# Altium PCB MB988.PcbDoc (part 1 of 4) (continued)
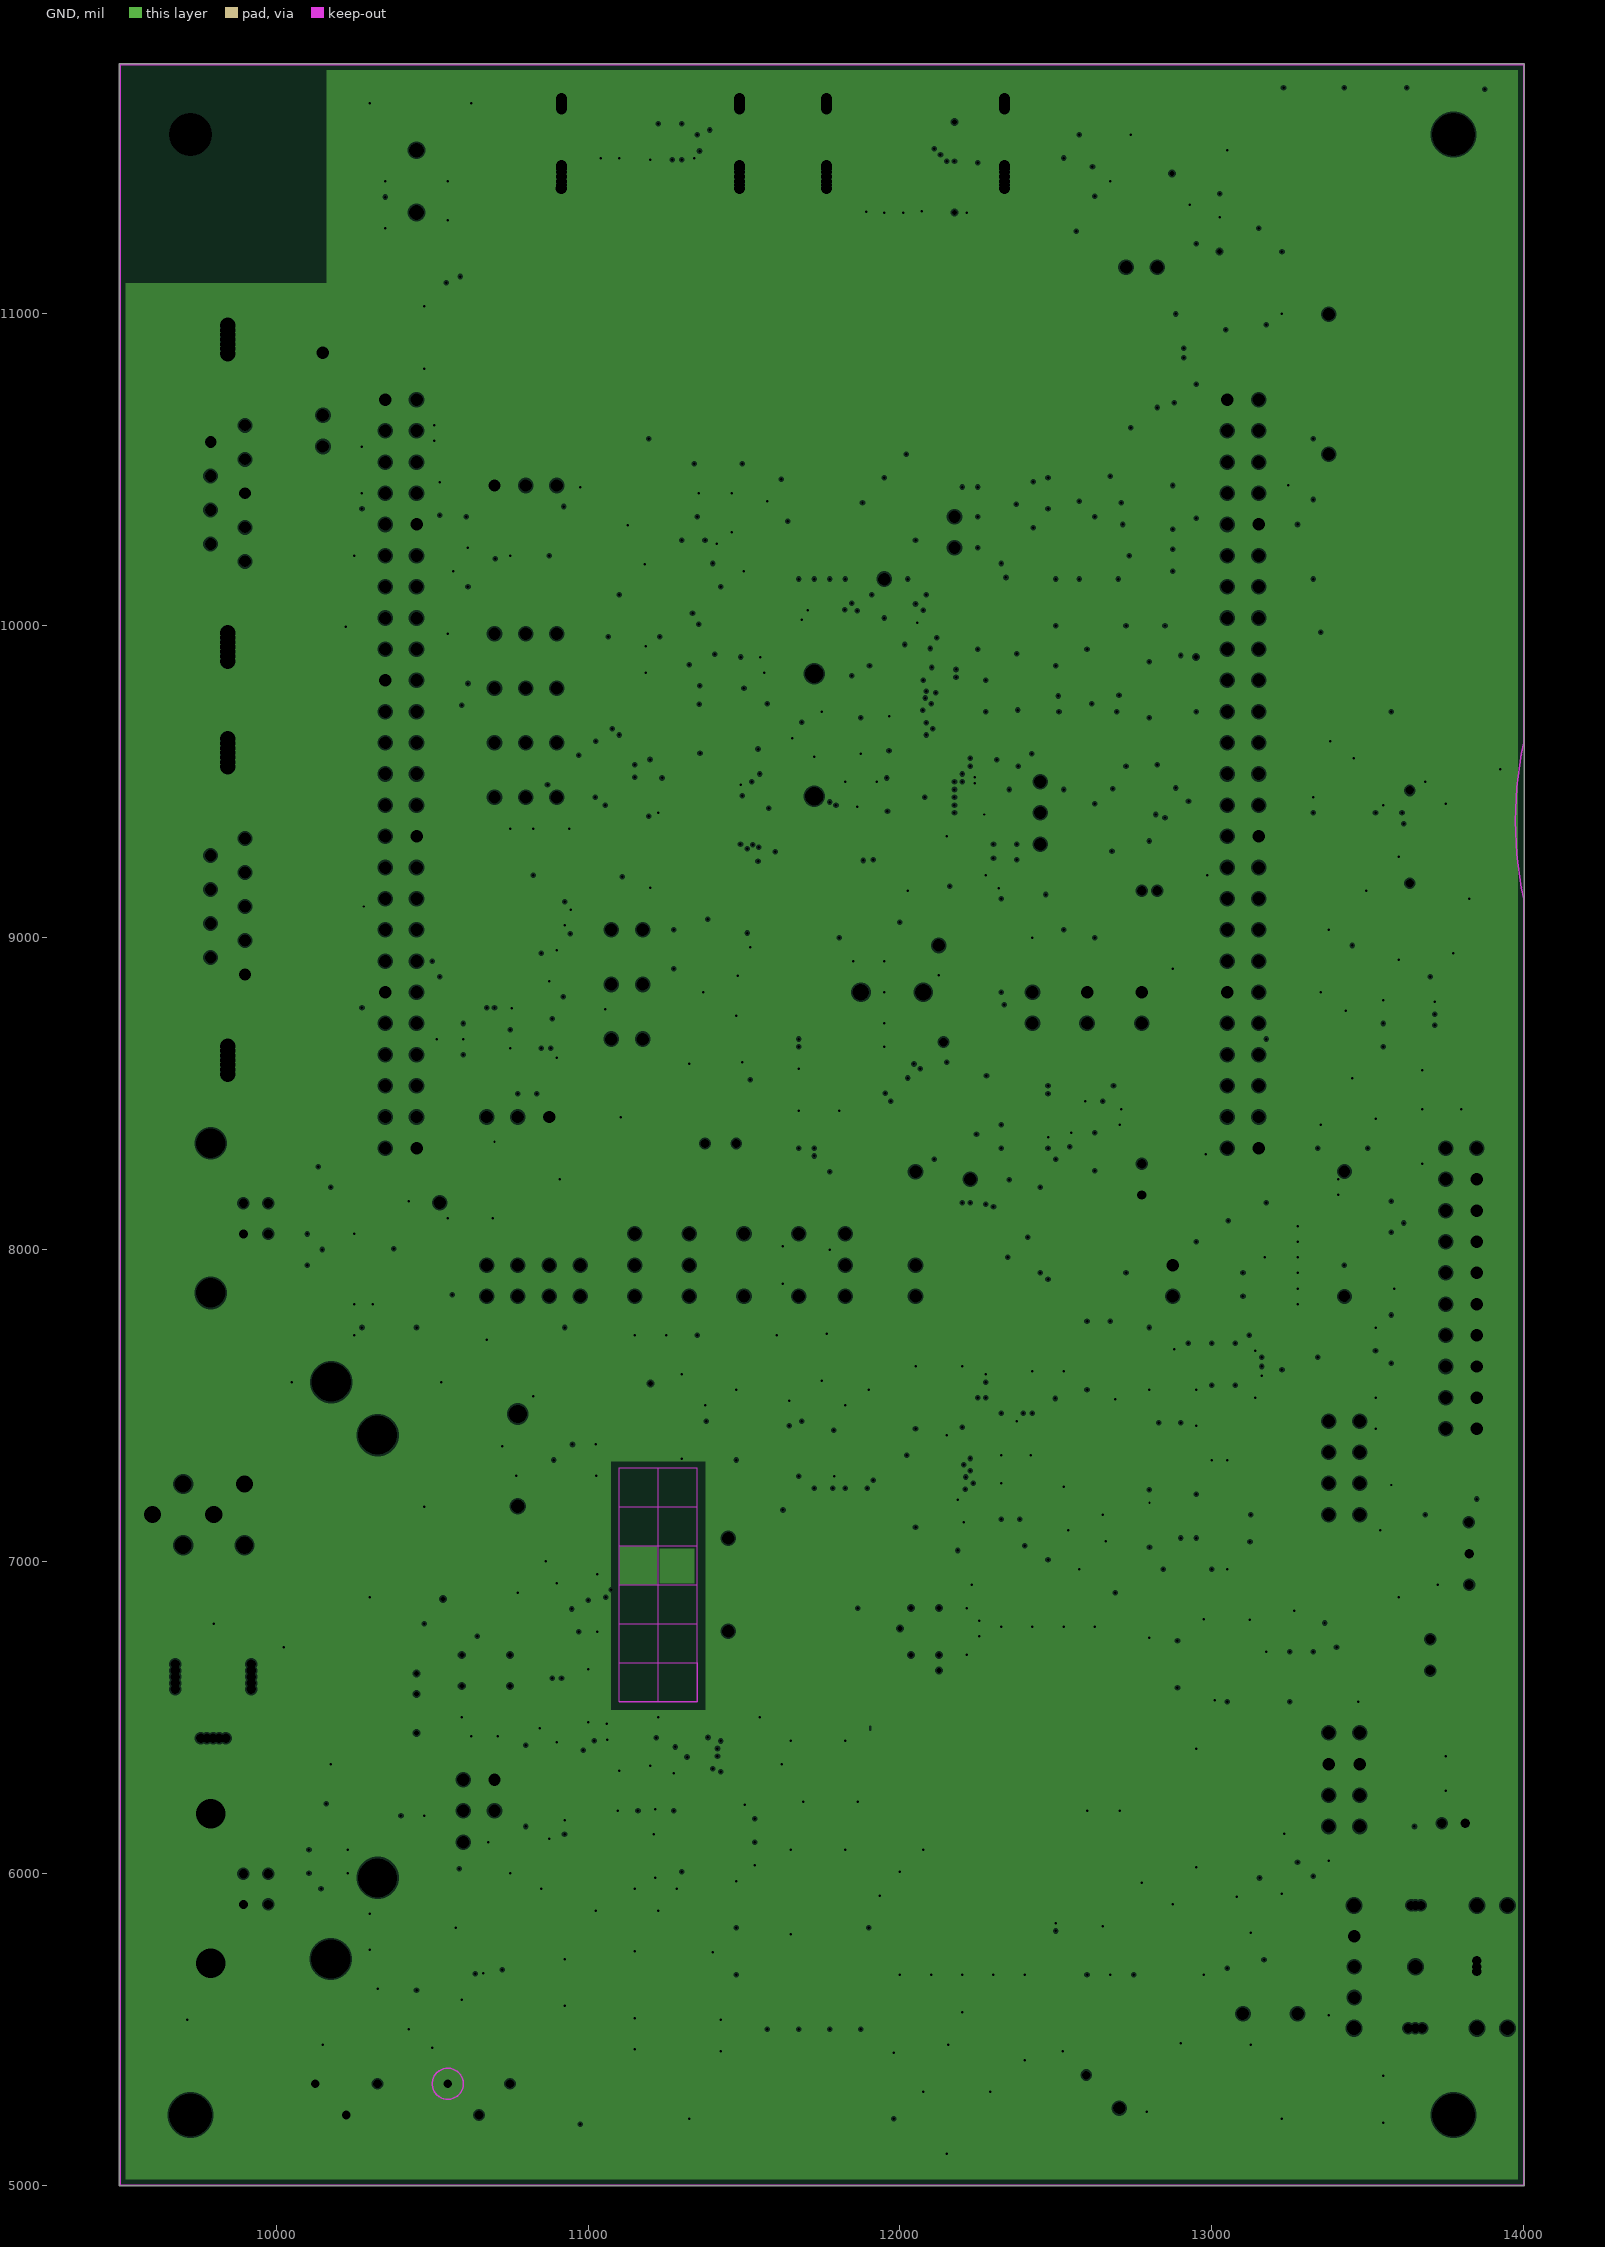
[diagram p3: GND, clearances drawn from the general rule]

## Layer stack, top to bottom
TopLayer: signal copper 0.7
Dielectric: prepreg 4.2, 2116, Dk 4.5
VCC: signal copper 1.4
Dielectric: core 59, FR-4, Dk 4.3
GND: plane copper 1.4, net (Multiple Nets)
Dielectric: prepreg 4.2, 2116, Dk 4.5
BottomLayer: signal copper 0.7

## Board outline
9497.5,4997.5 14002.5,4997.5 14002.5,11802.5 9497.5,11802.5

## Design rules (kind name [scope] priority, off if disabled: settings)
Clearance Clearance_4 [OnLayer('TopLayer') And ((InPoly)) vs InNet('TS_SHIELD')] p1: gap=20
Clearance Clearance_5 [(InPoly) vs InNet('SLD_1')] p2: gap=10
Clearance Clearance_1 [(InPoly) vs InNet('SLD_2')] p3: gap=10
Clearance Clearance_2 [(InPoly) vs InNet('SLD_3')] p4: gap=10
Clearance Clearance_6 [(InPoly)] p5: gap=15
Clearance Clearance_3 [All] p6 off: gap=10
Clearance [All] p7: gap=5
ComponentClearance [All] p1 off: gap=10 collisioncheckmode=3 verticalgap=10
HoleSize [All] p1: absolutevalues=TRUE maxlimit=200 minlimit=1 maxpercent=80.000 minpercent=20.000
PlaneClearance [All] p1: clearance=5
PlaneConnect PlaneConnect_1 [All] p1: planeconnectstyle=Relief reliefexpansion=5 reliefentries=4 reliefconductorwidth=5 reliefairgap=5
PolygonConnect [All] p1: connectstyle=Relief reliefconductorwidth=10 reliefentries=4 polygonreliefangle="90 Angle"
RoutingLayers [All] p1: top layer_v5=FALSE mid layer 1_v5=FALSE bottom layer_v5=FALSE
RoutingVias RoutingVias_1 [All] p1: holewidth=8 width=16 viastyle="Through Hole" minholewidth=8 minwidth=15 maxholewidth=28 maxwidth=50
SolderMaskExpansion [All] p1: expansion=4
TestPointUsage [All] p1: valid=0 allowmultiple=FALSE
Testpoint [All] p1: side=3 testpointundercomponent=TRUE minsize=40 maxsize=100 preferedsize=60 minholesize=20 maxholesize=40 preferedholesize=32 testpointgrid=1 style=297 order=0-112345678
Width Width_4 [InNet('AGND')] p1: maxlimit=300 minlimit=7 preferedwidth=20
Width Width_12 [InNet('VDD')] p2: maxlimit=300 minlimit=5 preferedwidth=10
Width Width_13 [InNet('VDD_ADJ')] p3: maxlimit=300 minlimit=5 preferedwidth=12
Width Width_10 [InNet('SD_VREF+')] p4: maxlimit=300 minlimit=5 preferedwidth=8
Width Width_11 [InNet('U5V')] p5: maxlimit=300 minlimit=5 preferedwidth=8
Width Width_16 [InNet('VDDIO')] p6: maxlimit=300 minlimit=5 preferedwidth=8
Width Width_17 [InNet('+5V')] p7: maxlimit=300 minlimit=5 preferedwidth=20
Width Width_14 [InNet('VDD_ANA')] p8: maxlimit=300 minlimit=5 preferedwidth=12
Width Width_15 [InNet('VDDA')] p9: maxlimit=300 minlimit=5 preferedwidth=12
Width Width_8 [InNet('SAR_VREF+')] p10: maxlimit=300 minlimit=5 preferedwidth=8
Width Width_9 [InNet('GND')] p11: maxlimit=300 minlimit=5 preferedwidth=15
Width Width_7 [InNet('VDD')] p12: maxlimit=300 minlimit=5 preferedwidth=5
Width Width_5 [InNet('E5V')] p13: maxlimit=300 minlimit=5 preferedwidth=50
Width Width_1 [InNet('+1V8')] p14: maxlimit=300 minlimit=5 preferedwidth=12
Width Width_6 [InNet('D5V')] p15: maxlimit=300 minlimit=5 preferedwidth=8
Width Width_3 [InNet('+3V3')] p16: maxlimit=300 minlimit=5 preferedwidth=12
Width Width_2 [InNet('+2V5')] p17: maxlimit=300 minlimit=5 preferedwidth=12
Width [All] p18: maxlimit=300 minlimit=5 preferedwidth=5
14 further rules are at their usual default settings.

## Classes and differential pairs
component class CAN&IR: C6 C54 CN5 JP2 JP3 LD10 R7 R8 R9 R10 R19 R113 R118 R119 R122 R123 R124 R125 R182 R240 R248 R249 SB28 T6 T7 U4 U22
component class MB964: MP1 MP4
component class MCU: BT1 C30 C31 C35 C37 C39 C42 C47 C55 C56 C58 C64 C80 C82 C83 C85 C87 C103 C132 CN13 JP2 JP5 JP8 JP11 JP14 JP15 JP18 JP19 JP21 JP22 LD7 PB1 PB2 R6 R10 R11 R13 R20 R31 R35 R51 R55 R56 R69 R70 R71 R74 R77 R79 R85 R91 R97 R98 R99 R111 R114 R116 R118 R119 R121 R124 R127 R130 R132 R133 R134 R152 R153 R155 R159 R163 R177 R178 R182 R202 R225 R228 R239 R246 TP2 U14 U33 X1 X3
component class Peripherals: C9 C32 C36 C40 C51 C102 CN1 CN3 CN15 JP3 JP7 JP9 JP12 R60 R61 R64 R83 R90 R144 R166 R217 R223 R225 R226 T7 U13 U17 U24 U31
component class Audio: C25 C35 C41 C66 C69 C81 C99 C116 C128 JP13 JP26 R17 R37 R57 R92 R132 R151 R156 R231 R232 R241 TP7 TP8 TP9 TP12 TP13 TP15 U9 U24 U25
component class Ethernet: C4 C18 C20 C35 C44 C49 C65 C73 C74 C102 C115 CN23 JP24 JP25 L1 L4 R8 R10 R11 R16 R19 R55 R57 R66 R68 R80 R82 R84 R93 R99 R119 R120 R125 R134 R135 R138 R142 R184 TP4 U22 X3
component class JTAG&ETM: C4 CN5 CN19 JP20 R9 R61 R87 R89 R96 R102 R140 R146 R150 R216 R229 R236
component class UART&IrDA: C8 C47 C49 C51 C54 C61 C62 C69 C71 C76 C112 C116 CN2 CN5 JP1 JP4 JP23 R9 R73 R202 R224 R242 U20 U28 U30
component class Power: C19 C34 C35 C46 C49 C52 C53 C65 C77 C85 C89 C96 C126 C133 CN22 JP1 L5 LD7 R31 TP6 TP15 TP16 U2 U20 U22 Z1
component class LCD&Joystick: C19 C58 C103 R8 R12 R15 R18 R23 R53 R65 R67 R76 R93 R106 R117 R123 R135 R171 R176 R177 R178 R180 R236 R243 U23 U25 U26 U34
component class IDD_measurement: C46 C58 C102 JP2 R83 R88 R184 R216 R217 R242 T6 T8 U17 U20 U31 U33
component class SRAM&Flash: C18 C29 C35 C43 C50 C81 C87 C122 JP11 R13 R71 R76 R91 R96 R117 R158 R165 R236 R243 U9 U25
component class TouchSlider: C51 C53 R85 R202 R225 R226 R228 S1 SB9 SB10 SB11 SB28
component class LCD_RS232_IrDA: C19 C25 C31 C34 C40 C44 C60 C65 C69 C77 C89 C91 C93 C127 C131 CN19 CN22 JP6 JP13 JP17 L1 L4 R6 R9 R51 R61 R75 R80 R96 R119 R128 R140 R152 R153 R244 U20 U22 U23 U30
component class ST_LINK: C4 C57 C58 C61 C73 C74 C76 C110 C117 CN5 CN23 LD7 R8 R10 R11 R12 R31 R70 R118 R121 R125 R132 R133 R142 R239 R246 T7 U17 U26 X3
component class TemSensor&RF_E2PROM&SPI_FLASH: C53 C84 CN18 R10 R31 R37 R56 R57 R74 R77 R82 R92 R135 R138 R169 R177 R202 R226 R228 SB4 TR1 TR2 U5 U34
component class Extensionconnector: CN19 CN21 R89 R159 R234 SB1 SB4 SB8 SB24
component class JTAG&Trace: CN2 CN19 R35 R56 R61 R70 R76 R77 R111 R124 R163 R182 R229 R236 R239 RS1
component class MicroSD: CN13 R60 R144 R150 R151 R156 R231
net class PA[0..15]: PA0 PA1 PA2 PA3 PA4 PA5 PA7 PA8 PA9 PA10 PA11 PA12 PA13 PA14 PA[0..15]0 PA[0..15]1 PA[0..15]2 PA[0..15]3 PA[0..15]4 PA[0..15]5 PA[0..15]6 PA[0..15]7 PA[0..15]8 PA[0..15]9 PA[0..15]10 PA[0..15]11 PA[0..15]12 PA[0..15]13 PA[0..15]14 PA[0..15]15 T_JTDI "TMDS DATA0+"
net class PB[0..15]: NetR118_2 NetR139_1 NetR148_1 PB0 PB1 PB2 PB3 PB5 PB8 PB10 PB11 PB12 PB13 PB14 PB15 PB[0..15]0 PB[0..15]1 PB[0..15]2 PB[0..15]3 PB[0..15]4 PB[0..15]5 PB[0..15]6 PB[0..15]7 PB[0..15]8 PB[0..15]9 PB[0..15]10 PB[0..15]11 PB[0..15]12 PB[0..15]13 PB[0..15]14 PB[0..15]15 T_JRST
net class PC[0..15]: NetC83_2 NetSB24_2 PC0 PC1 PC2 PC3 PC4 PC6 PC7 PC8 PC9 PC10 PC11 PC12 PC14 PC15 PC[0..15]0 PC[0..15]1 PC[0..15]2 PC[0..15]3 PC[0..15]4 PC[0..15]5 PC[0..15]6 PC[0..15]7 PC[0..15]8 PC[0..15]9 PC[0..15]10 PC[0..15]11 PC[0..15]12 PC[0..15]13 PC[0..15]14 PC[0..15]15
net class PD[0..15]: NetSB4_2 PD0 PD1 PD2 PD3 PD4 PD5 PD6 PD8 PD9 PD10 PD11 PD12 PD13 PD14 PD15 PD[0..15]0 PD[0..15]1 PD[0..15]2 PD[0..15]3 PD[0..15]4 PD[0..15]5 PD[0..15]6 PD[0..15]7 PD[0..15]8 PD[0..15]9 PD[0..15]10 PD[0..15]11 PD[0..15]12 PD[0..15]13 PD[0..15]14 PD[0..15]15
net class PE[0..15]: PE0 PE1 PE2 PE3 PE4 PE5 PE6 PE7 PE8 PE9 PE10 PE11 PE12 PE13 PE14 PE15 PE[0..15]0 PE[0..15]1 PE[0..15]2 PE[0..15]3 PE[0..15]4 PE[0..15]5 PE[0..15]6 PE[0..15]7 PE[0..15]8 PE[0..15]9 PE[0..15]10 PE[0..15]11 PE[0..15]12 PE[0..15]13 PE[0..15]14 PE[0..15]15
net class PH[0..2]: PH0 PH1 PH2 PH[0..2]0 PH[0..2]1 PH[0..2]2
net class PF[0..15]: PF0 PF1 PF2 PF3 PF4 PF5 PF6 PF7 PF8 PF9 PF10 PF11 PF12 PF13 PF14 PF15 PF[0..15]0 PF[0..15]1 PF[0..15]2 PF[0..15]3 PF[0..15]4 PF[0..15]5 PF[0..15]6 PF[0..15]7 PF[0..15]8 PF[0..15]9 PF[0..15]10 PF[0..15]11 PF[0..15]12 PF[0..15]13 PF[0..15]14 PF[0..15]15
net class PG[0..15]: PG0 PG1 PG2 PG3 PG4 PG5 PG6 PG7 PG8 PG9 PG10 PG11 PG12 PG13 PG14 PG15 PG[0..15]0 PG[0..15]1 PG[0..15]2 PG[0..15]3 PG[0..15]4 PG[0..15]5 PG[0..15]6 PG[0..15]7 PG[0..15]8 PG[0..15]9 PG[0..15]10 PG[0..15]11 PG[0..15]12 PG[0..15]13 PG[0..15]14 PG[0..15]15
net class D[0..15]: D0 D1 D2 D3 D4 D5 D6 D7 D8 D9 D10 D11 D12 D13 D14 D15 D[0..15]0 D[0..15]1 D[0..15]2 D[0..15]3 D[0..15]4 D[0..15]5 D[0..15]6 D[0..15]7 D[0..15]8 D[0..15]9 D[0..15]10 D[0..15]11 D[0..15]12 D[0..15]13 D[0..15]14 D[0..15]15
net class A[0..23]: A0 A1 A2 A3 A4 A5 A6 A7 A8 A9 A10 A11 A12 A13 A14 A15 A16 A17 A18 A19 A20 A21 A22 A23 A[0..23]0 A[0..23]1 A[0..23]2 A[0..23]3 A[0..23]4 A[0..23]5 A[0..23]6 A[0..23]7 A[0..23]8 A[0..23]9 A[0..23]10 A[0..23]11 A[0..23]12 A[0..23]13 A[0..23]14 A[0..23]15 A[0..23]16 A[0..23]17 A[0..23]18 A[0..23]19 A[0..23]20 A[0..23]21 A[0..23]22 A[0..23]23
component class MB694: MP1 MP4
component class HDMI_CEC: C45 CN13 CN17 R60 R144 R150 R151 R156 R158 R165 R231 R232 R234 SB8 SB9 SB10 SB24 T6 T8 U9
component class LCD_MicroSD: C6 C75 CN1 CN3 L1 L4 R7 R13 R51 R71 R75 R126 R143 R148 R153 R162 TR1
component class MB965: C8 C34 C38 C86 C87 C88 R36 R38 R69 R81 R83 R90 R91 R95 R96 R117 R140 R141 R147 R155 R171 R223 R227 R242 R243 U13 U16 U21
component class MotorCtrl: C19 C24 C25 C32 C33 C43 C46 C50 C52 C81 C126 C130 C132 CN21 JP1 JP9 R29 R64 R72 R73 R79 R94 R103 R109 R179 R220 SB25 SB26
component class RS232_RS485_IrDA: C39 C55 C56 C72 C79 C80 C82 C83 C128 C135 CN18 JP8 R35 R87 R115 R116 R157 R246 SB2 SB3 SB11 U19 U28 U33
component class ST_LINK_V2: C4 C57 C58 C61 C73 C74 C76 C110 C117 CN5 CN23 LD7 R8 R10 R11 R12 R31 R70 R118 R121 R122 R124 R125 R132 R133 R182 R239 T7 U17 U26 X3
component class TemSensor_RF_EEPROM: C84 CN15 R77 R167 U34
component class JTAG&SWD: CN19 D6 D7 D9 JP17 R56 R61 R76 R111 R127 R128 R137 R163 R236
component class CAN&SmartCard&IR: C6 C54 C59 C62 C64 C65 C66 C70 C75 CN5 CN23 JP2 JP3 LD8 R7 R8 R9 R10 R19 R70 R80 R93 R95 R113 R118 R119 R120 R121 R122 R123 R124 R125 R129 R135 R139 R182 R239 R240 SB28 T6 T7 TP11 TP14 U4 U22 U31
component class ECG&PressureSensor: C2 C3 C5 C9 C10 C90 C91 C92 C93 C94 C96 C97 C98 C100 C101 C104 C105 JP1 L2 R3 R4 R5 R6 R14 R15 R16 R17 R18 R20 R21 R23 R177 R178 R179 R180 R181 R183 R184 R188 R193 R194 R196 R197 R198 R200 R205 TP1 TP3 TS1 TS2 U2 U3 U5 U6
component class I2CPeripherals: C121 C127 CN3 JP14 R101 R104 R105 R185 R187 R190 R195 R214 R215 R218 R219 R222 R235 SB27 U14 U18
component class RS232_IrDA: C12 C13 C14 C15 C16 C22 C23 C27 C28 C119 C120 CN12 CN19 JP6 JP7 R46 R47 R48 R49 R199 R203 R206 R209 R210 R211 U10 U11 U12 U37
component class TemSensor&CON: C11 C17 C21 C26 C107 C111 C113 C114 C118 CN6 CN9 CN10 CN11 R25 R26 R27 R30 R33 R34 R39 R40 R41 R42 R43 R44 R45 R52 R54 R59 R62 R63 R204 R207 R208 R209 R212 RV3 U7 U8
component class MB988: JP4 JP5 MP1 MP4 R186 R189 R191 R192

## Components (designator, comment, footprint, x,y, rotation, side; value= is the part's Value field where it differs from the comment)
B1 "TD-0341 [RESET/Black]" PB10 11349,5300 r0 top
B2 "WKUP" PB10 12000,5300 r0 top
B3 "USER (Blue)" PB10 13225,5300 r0 top
BT1 "CR1220 holder" LI1220_1 10775,7325 r90 top
C1 "4.7uF" TAN-A 12925,11525 r180 top
C2 "100nF" 0603C#1 12775,10975 r0 top
C3 "4.7uF" TAN-A 12950,11125 r270 top
C4 "100nF" 0603C#1 11950,10275 r90 top
C5 "10uF" TAN-A 12375,10400 r270 top
C6 "100nF" 0603C#1 10675,10250 r180 top
C7 "47nF(COG)GRM31M5C1H473JA01L" 1206C 11575,10275 r90 top
C8 "1uF" TAN-A 12050,10275 r270 top
C9 "10uF" TAN-A 12275,9825 r180 top
C10 "10uF" TAN-A 12275,9725 r180 top
C11 "10uF" TAN-A 12275,9625 r180 top
C12 "100nF" 0603C#1 10825,9275 r90 top
C13 "100nF" 0603C#1 10900,9275 r90 top
C14 "100nF" 0603C#1 10675,9275 r270 top
C15 "100nF" 0603C#1 10750,9275 r270 top
C16 "100nF" 0603C#1 10975,9275 r270 top
C17 "100nF" 0603C#1 12300,9525 r0 top
C18 "20pF" 0603C#2 11850,9000 r90 top
C19 "20pF" 0603C#2 11950,9000 r90 top
C20 "100nF" 0603C#1 11950,9175 r270 top
C21 "[N/A]" 0603C#2 12375,8975 r90 top
C22 "4.7uF" TAN-A 13450,8875 r90 top
C23 "100nF" 0603C#1 13625,8875 r0 top
C24 "6.8pF" 0603C#2 11475,9000 r270 top
C25 "6.8pF" 0603C#2 11675,9000 r270 top
C26 "[N/A]" 0603C#2 12875,8975 r270 top
C27 "100nF" 0603C#1 13625,8800 r0 top
C28 "4.7uF" TAN-A 13450,8650 r90 top
C29 "4.7nF" 0603C#2 10175,7725 r0 top
C30 "100nF" 0603C#1 11600,7650 r270 top
C31 "10uF" 0805C#1 11150,7625 r270 top
C32 "1uF" TAN-A 12200,7525 r270 top
C33 "1uF" 0603C#2 12625,7400 r0 top
C34 "220uF" C310M 9800,7575 r180 top
C35 "[N/A]" 0603C#2 11150,7375 r0 top
C36 "100nF" 0603C#1 11250,7650 r270 top
C37 "10uF" 0805C#1 11600,7475 r270 top
C38 "[N/A]" 0603C#1 11825,7650 r270 top
C39 "10uF" TAN-A 12050,7525 r270 top
C40 "4.7uF" TAN-A 11475,7450 r270 top
C41 "[N/A]" 0603C#2 11625,7300 r90 top
C42 "4.7uF" TAN-A 11900,7450 r270 top
C43 "100nF" 0603C#1 12325,7550 r270 top
C44 "100nF" 0603C#1 12425,7550 r270 top
C45 "150pF(COG)" 0603C#2 12625,7100 r0 top
C46 "150pF(COG)" 0603C#2 12625,7200 r0 top
C47 "100nF" 0603C#1 10200,7075 r0 top
C48 "47uF" C200M 10475,6975 r270 top
C49 "10uF" TAN-A 12125,6925 r180 top
C50 "1uF" 0603C#2 12325,6975 r270 top
C51 "1uF" 0603C#2 12625,6975 r270 top
C52 "1uF" 0603C#2 12325,6850 r90 top
C53 "1uF" 0603C#2 12625,6850 r270 top
C54 "4.7uF" 0603C#2 13175,6775 r90 top
C55 "0.022uF" 0603C#2 12425,6975 r270 top
C56 "0.022uF" 0603C#2 12525,6975 r270 top
C57 "100nF" 0603C#1 10800,6600 r90 top
C58 "10uF" TAN-A 10900,6525 r90 top
C59 "100nF" 0603C#3 11925,9425 r270 bottom
C60 "100nF" 0603C#1 11000,6550 r90 top
C61 "100nF" 0603C#1 11300,6500 r180 top
C62 "100nF" 0603C#1 12000,9575 r270 bottom
C63 "100nF" 0603C#1 11475,6250 r0 top
C67 "10uF" TAN-A 13100,6300 r90 top
C68 "100nF" 0603C#1 13225,6300 r90 top
C69 "100nF" 0603C#1 10875,6175 r90 top
C71 "4.7uF" TAN-A 12950,6300 r270 top
C72 "180pF" 0603C#2 13050,6100 r90 top
C73 "Cap" 0603R#1 11075,5950 r0 top
C74 "Cap" 0603R#1 11225,5950 r0 top
C76 "100nF" 0603C#1 11350,5950 r180 top
C77 "100nF" 0603C#1 11475,5900 r90 top
C78 "100nF" 0603C#1 12600,5900 r90 top
C79 "[N/A]" 0603C#2 13200,6100 r270 top
C80 "4.7uF" TAN-A 12775,5900 r180 top
C81 "2.2uF" 0805C#1 12950,5925 r270 top
C82 "10uF" TAN-A 13225,5925 r270 top
C83 "[N/A]" 0603C#2 11800,5750 r270 top
C84 "10nF" 0603C#1 12000,5750 r270 top
C85 "10nF" 0603C#1 12100,5750 r270 top
C86 "10nF" 0603C#1 12200,5750 r270 top
C87 "10nF" 0603C#1 12300,5750 r270 top
C88 "10nF" 0603C#1 12400,5750 r270 top
C89 "100nF" 0603C#1 12975,5750 r270 top
C90 "100nF" 0603C#1 12950,11000 r0 bottom
C91 "47nF" 0603C#3 12950,10875 r90 bottom
C92 "1uF" 0603C#2 12400,10425 r0 bottom
C93 "100nF" 0603C#1 12675,10425 r90 bottom
C94 "4.7uF" TAN-A 12575,10400 r270 bottom
C95 "1uF" TAN-A 12800,10400 r270 bottom
C96 "10uF" 0805C#2 12400,10275 r0 bottom
C97 "100nF" 0603C#1 12575,10225 r270 bottom
C98 "15nF" 0603C#2 12700,10225 r270 bottom
C99 "100nF" 0603C#1 11500,9850 r180 bottom
C100 "100nF" 0603C#1 12575,10000 r0 bottom
C101 "1uF" 0603C#2 12450,9900 r90 bottom
C102 "100nF" 0603C#1 11975,9900 r270 bottom
C103 "100nF" 0603C#1 12050,9900 r270 bottom
C104 "1uF" 0603C#2 12450,9750 r90 bottom
C105 "100nF" 0603C#1 12750,9750 r90 bottom
C106 "1uF" TAN-A 12850,9850 r270 bottom
C107 "100nF" 0603C#1 12625,9475 r180 bottom
C108 "1uF" TAN-A 12625,9550 r0 bottom
C109 "1uF" TAN-A 12825,9550 r0 bottom
C110 "100nF" 0603C#1 11825,9425 r90 bottom
C111 "100nF" 0603C#1 12825,9425 r180 bottom
C112 "100nF" 0603C#1 11450,9475 r270 bottom
C113 "100nF" 0603C#1 12725,9250 r270 bottom
C114 "10uF" TAN-A 12625,9375 r0 bottom
C115 "100nF" 0603C#1 11875,9650 r90 bottom
C116 "1uF" TAN-A 11975,9200 r90 bottom
C117 "1uF" TAN-A 11850,9150 r90 bottom
C118 "[N/A]" 0603C#2 12400,8625 r0 bottom
C119 "100nF" 0603C#1 10975,8675 r90 top
C120 "100nF" 0603C#1 10825,8775 r180 top
C121 "100nF" 0603C#1 12600,8525 r180 bottom
C122 "100nF" 0603C#1 10175,7950 r180 top
C123 "220nF" 0603C#2 11625,9675 r0 bottom
C124 "100nF" 0603C#1 13200,7725 r180 top
C125 "100nF" 0603C#1 13200.13,7525 r180 top
C126 "100nF" 0603C#1 12150,7350.13 r270 top
C127 "100nF" 0603C#1 12800,7475 r90 top
C128 "100nF" 0603C#1 12150,7224.87 r90 top
C129 "100nF" 0603C#1 12800,7125 r270 top
C130 "100nF" 0603C#1 12475.13,7100 r180 top
C131 "100nF" 0603C#1 10900,6875 r270 top
C132 "100nF" 0603C#1 12150,7100.13 r270 top
C133 "100nF" 0603C#1 11000,6725 r270 top
C134 "100nF" 0603C#1 10175.13,6075 r180 top
C135 "47pF" 0603C#2 13125,5750 r270 top
CN1 "47151-0051" 0471510051 11200,11410 r180 top locked
CN2 "47151-0051" 0471510051 12050,11410 r180 top
CN3 "SSM-104-L-SH" SSM-104-L-SH 10450,11425 r270 top locked
CN5 "DB9-male CAN connector" DB9/M 9900,10425 r90 top
CN6 "" SIP2#1 12775,9150 r0 top
CN7 "PJS008-2000 (SMS064FF or SMS128FF)" MSD(PJS008) 13635,9175 r90 top
CN9 "" SIP2#2 12425,8825 r270 top
CN10 "" SIP2#2 12600,8825 r270 top
CN11 "" SIP2#2 12775,8825 r270 top
CN12 "DB9-male USART2" DB9/M 9900,9100 r90 top
CN13 "2213S-50G" 2*25P 10350,10725 r0 top locked
CN14 "2213S-50G" 2*25P 13050,10725 r0 top locked
CN15 "FTSH-110-01-L-DV" FTSH-110-01-L-DV 13425,8050 r270 top
CN16 "USB-typeB connector" USB-B 9975,8050 r270 top
CN17 "JTAG" IDC20S 13750,8325 r0 top
CN18 "DC-10B" DC10B 9675.91,6630 r0 top
CN19 "JTAG" 2*3P 10600,6300 r0 top
CN20 "2.8\" LCD connector" MB989 13375,7450 r0 top
CN21 "ST-212-02V" ST-212-02V 13850,5700 r0 top
CN22 "USB-typeB connector" USB-B 9975,5900 r270 top
D1 "BAT60J" SOD-323 11275,9025 r90 top
D2 "BAT60J" SOD-323 11275,8825 r90 top
D3 "BAT60J[N/A]" SOD-323 12400,8575 r0 top
D4 "BAT60J" SOD-323 11775,8250 r90 top
D5 "BAT60J[N/A]" SOD-323 12050,7275 r0 top
D6 "[N/A]" SOT-23#1 11650,6475 r0 top
D7 "Z5V1" SOT-23#1 11825,6475 r0 top
D8 "Z5V1" SOT-23#1 11650,6300 r0 top
D9 "Z5V1" SOT-23#1 11825,6300 r0 top
D10 "Z5V1" SOT-23#1 11650,6125 r0 top
D11 "Z5V1" SOT-23#1 11825,6125 r0 top
JP1 "" SIP2#2 12725,11150 r0 top
JP2 "" SIP2#2 10150,10575 r90 top
JP3 "" SIP3#1 10700,10450 r0 top
JP4 "" SIP3#1 10700,9975 r0 top
JP5 "" SIP3#1 10700,9800 r0 top
JP6 "" SIP3#1 10700,9625 r0 top
JP7 "" SIP3#1 10700,9450 r0 top
JP8 "" SIP2#2 11175,9025 r180 top
JP9 "" SIP2#2 11175,8850 r180 top
JP10 "Header 4X2" 2*4P 10675,7850 r90 top
JP11 "" SIP3#1 11150,7850 r90 top
JP12 "" SIP3#1 11325,7850 r90 top
JP13 "" SIP3#1 11825,7850 r90 top
JP14 "" SIP2#2 12875,7850 r90 top
JP15 "" SIP2#2 11175,8675 r180 top
JP16 "" SIP2#3 12050,7950 r270 top
JP17 "" SIP2#2 12175,10350 r270 top
JP18 "" SIP3#2 12450,9300 r90 top
L1 "BEAD" 0603L 11875,8250 r270 top
L2 "BEAD" 0603L 12950,11100 r180 bottom
L3 "BEAD" 0603L 11975,9775 r270 bottom
L4 "BEAD" 0603L 10675,6800 r0 top
L5 "BEAD" 0603L 10800,6475 r90 top
LD1 "Green" 0603D 11875,5575 r270 top
LD2 "Orange" 0603D 11775,5575 r270 top
LD3 "Red" 0603D 11675,5575 r270 top
LD4 "Blue" 0603D 11575,5575 r270 top
LD5 "Green" 0603D 10975,5450 r270 top
LD6 "Red" 0603D 10975,5250 r270 top
LD7 "HSMF-A201-A00J1" LED2-28*32 9825,5500 r270 top
LD8 "red" 0603D 10975,8250 r90 top
LD9 "Green" 0603D 12425,9150 r90 top
LD10 "SFH409-2" D0.1L 13700,6700 r90 top
MP1 "" markpoint_1.0#1 13550,11575 r0 top
MP2 "" markpoint_1.0#2 13575,11575 r180 bottom
MP3 "" markpoint_1.0#2 9900,5325 r180 bottom
MP4 "" markpoint_1.0#1 9899.94,5299.72 r0 top
R1 "10K" 0603R#1 12675,11500 r90 top
R2 "27K" 0603R#1 12675,11350 r90 top
R3 "1M" 0603R#1 12775,11050 r180 top
R4 "100K[0.1%]" 0603R#1 13200,10925 r0 top
R5 "4K7" 0603R#2 12800,10750 r180 top
R6 "10K" 0603R#1 12800,10650 r180 top
R7 "120" 0603R#1 10150,10425 r270 top
R8 "0" 0603R#1 10950,10350 r0 top
R9 "[N/A]" 0603R#1 10150,10275 r90 top
R10 "0" 0603R#1 10675,10125 r180 top
R11 "10K" 0603R#1 11675,10250 r270 top
R12 "10K" 0603R#1 11750,10250 r270 top
R13 "10K" 0603R#1 11825,10250 r270 top
R14 "0" 0603R#1 12375,10225 r270 top
R15 "1M" 0603R#1 12775,10225 r270 top
R16 "220" 0603R#1 12475,10225 r270 top
R17 "2K5" 0603R#1 12575,10225 r270 top
R18 "820" 0603R#1 12675,10225 r270 top
R19 "0" 0603R#1 10150,10025 r270 top
R20 "100K[0.1%]" 0603R#1 13200,10850 r0 top
R21 "100" 0603R#1 12450,9850 r180 top
R22 "1K" 0603R#1 12300,9350 r0 bottom
R23 "100" 0603R#1 12450,9725 r180 top
R24 "0" 0603R#1 13325,9575 r90 top
R25 "0" 0603R#1 12650,9150 r90 top
R26 "100" 0603R#1 12550,9300 r90 top
R27 "1K8[0.1%]" 0603R#1 12850,9300 r90 top
R28 "10K" 0603R#1 13325,9325 r270 top
R29 "0" 0603R#1 11500,9650 r180 bottom
R30 "PT100" 0805R 12550,9150 r90 top
R31 "2.2k" 0603R#1 11500,9725 r180 bottom
R32 "0" 0603R#1 11875,9175 r90 top
R33 "1K8[0.1%]" 0603R#1 12450,9625 r180 top
R34 "220" 0603R#1 12300,9325 r180 top
R35 "0" 0603R#1 13325,9175 r90 top
R36 "0" 0603R#1 11375,9000 r270 top
R37 "0" 0603R#1 11575,9000 r270 top
R38 "0" 0603R#1 12050,9000 r90 top
R39 "0" 0603R#1 12300,8975 r90 top
R40 "0" 0603R#1 12475,8975 r90 top
R41 "1K8[0.1%]" 0603R#1 12650,9300 r270 top
R42 "0" 0603R#1 12575,8975 r90 top
R43 "0" 0603R#1 12675,8975 r90 top
R44 "1K8[0.1%]" 0603R#1 12750,9300 r270 top
R45 "0" 0603R#1 12775,8975 r90 top
R46 "100K" 0603R#1 10675,8725 r0 top
R47 "100K" 0603R#1 10675,8625 r0 top
R48 "5" 0603R#1 13625,8650 r180 top
R49 "47" 0603R#1 13625,8725 r180 top
R50 "4K7" 0603R#1 12400,8325 r0 top
R51 "0" 0603R#1 10350,8150 r180 top
R52 "N/A" 0603R#1 11275,8250 r90 top
R53 "1K" 0603R#1 11075,8250 r90 top
R54 "0" 0603R#1 11175,8250 r90 top
R55 "0" 0603R#1 11375,8250 r90 top
R56 "0" 0603R#1 11475,8250 r270 top
R57 "[N/A]" 0603R#1 11575,8250 r90 top
R58 "[N/A]" 0603R#1 11675,8250 r90 top
R59 "8.2K" 0603R#1 12500,8225 r270 top
R60 "0" 0603R#1 13025,8125 r180 top
R61 "0" 0603R#1 10175,8150 r0 top